# Altium PCB BSPD+SDC.PcbDoc (part 1 of 2) (continued)
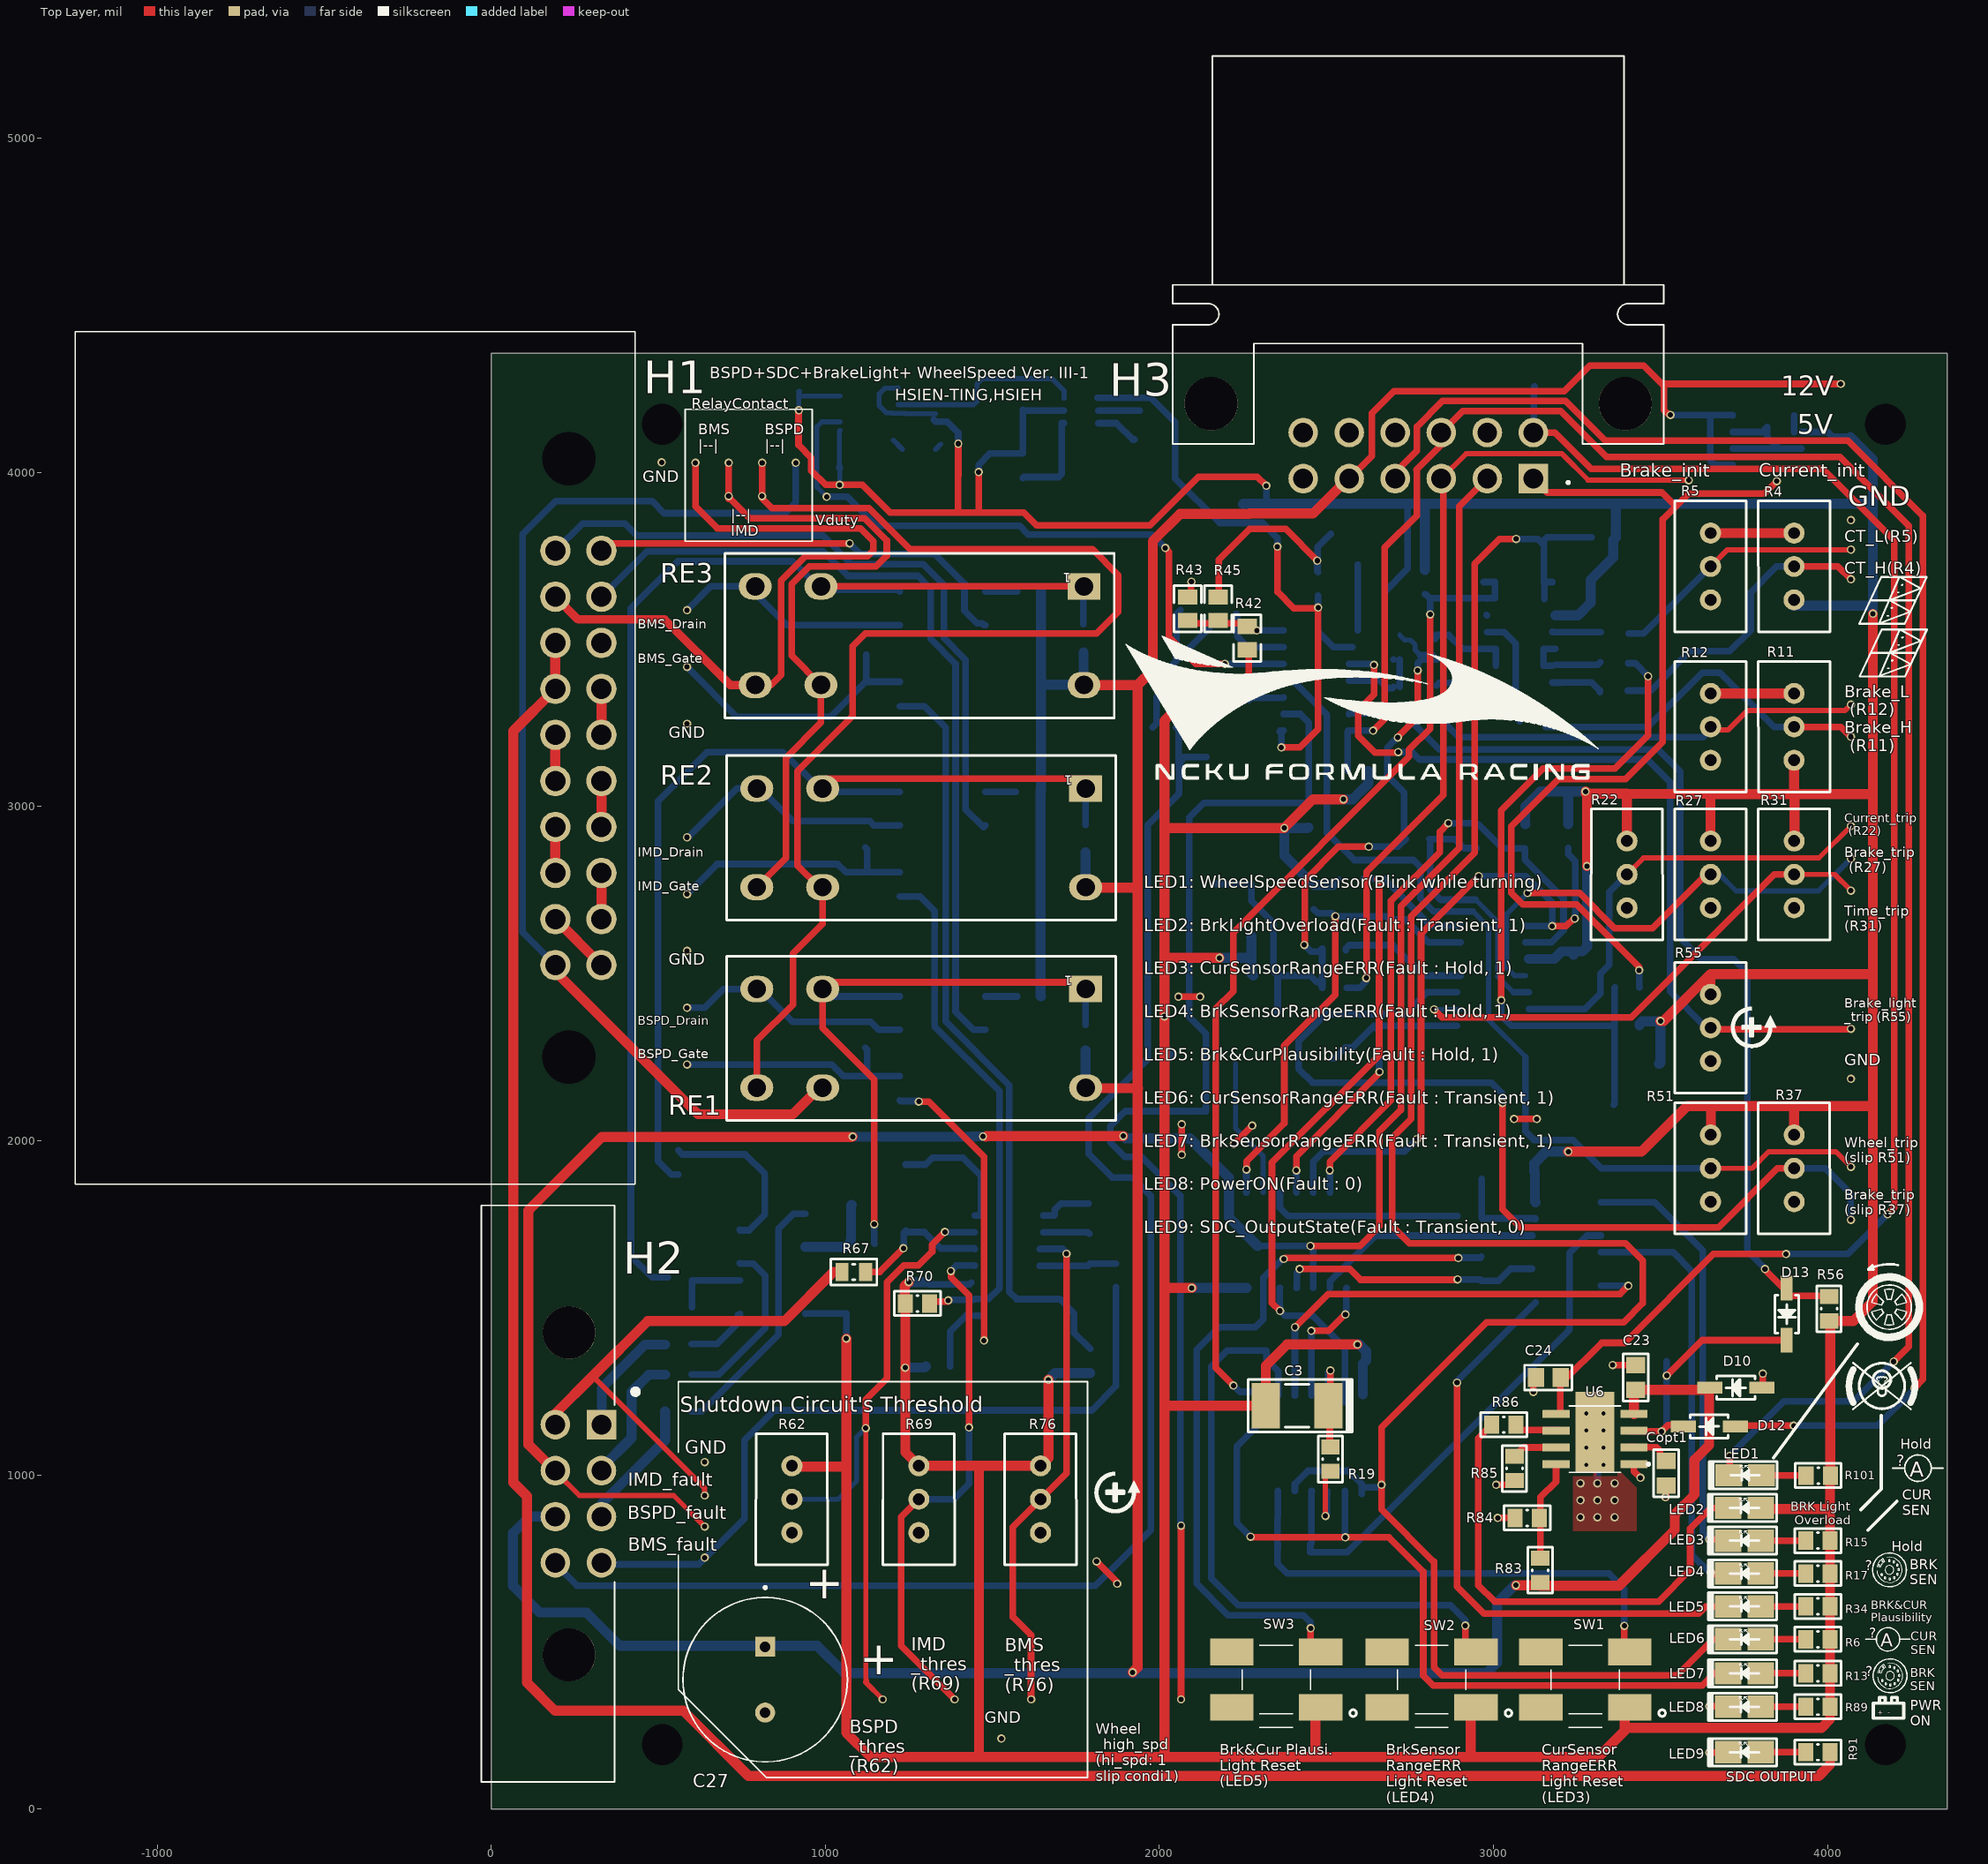
[diagram p0: Top Layer view]
## Part data (continued)
C27: "Cap Aluminum 220uF 63V 20% (12.5 X 20mm) Radial 7.5mm 835mA 5000h 105°C Ammo Pack", Capacitance=220uF, Case/Package=Radial, Dielectric Material=Aluminium, Leakage Current=415.8uA, Manufacturer=Nichicon, Max Operating Temperature=105°C, Min Operating Temperature=-55°C, Package Quantity=1, Ripple Current=835mA, Supplier Part Number 1=647-UPM1J221MHD1TO, Tolerance=20%, Voltage=63V, ComponentLink1Description=https://datasheet.ciiva.com/6136/e-pm-6136976.pdf?src-supplier=Farnell, ComponentLink1URL=https://datasheet.ciiva.com/6136/e-pm-6136976.pdf?src-supplier=Farnell, ComponentLink2Description=https://datasheet.ciiva.com/16289/e-pm-16289237.pdf?src-supplier=Future+Electronics, ComponentLink2URL=https://datasheet.ciiva.com/16289/e-pm-16289237.pdf?src-supplier=Future+Electronics, ComponentLink3Description=https://datasheet.ciiva.com/29547/e-pm-29547336.pdf?src-supplier=Digi-Key, ComponentLink3URL=https://datasheet.ciiva.com/29547/e-pm-29547336.pdf?src-supplier=Digi-Key, ComponentLink4Description=https://datasheet.ciiva.com/14604/70187696-14604329.pdf?src-supplier=Allied+Electronics, ComponentLink4URL=https://datasheet.ciiva.com/14604/70187696-14604329.pdf?src-supplier=Allied+Electronics, ComponentLink5Description=https://datasheet.ciiva.com/29547/e-pm-29547337.pdf?src-supplier=Digi-Key, ComponentLink5URL=https://datasheet.ciiva.com/29547/e-pm-29547337.pdf?src-supplier=Digi-Key, ComponentLink6Description=https://datasheet.ciiva.com/7907/e-pm-7907421.pdf?src-supplier=Element14, ComponentLink6URL=https://datasheet.ciiva.com/7907/e-pm-7907421.pdf?src-supplier=Element14, ComponentLink7Description=https://datasheet.ciiva.com/11684/e-pm-11684319.pdf?src-supplier=Avnet, ComponentLink7URL=https://datasheet.ciiva.com/11684/e-pm-11684319.pdf?src-supplier=Avnet, ComponentLink8Description=http://datasheet.octopart.com/UPM1J221MHD1TO-Nichicon-datasheet-8702619.pdf?src-supplier=Element14, ComponentLink8URL=http://datasheet.octopart.com/UPM1J221MHD1TO-Nichicon-datasheet-8702619.pdf?src-supplier=Element14, ComponentLink9Description=http://datasheet.octopart.com/UPM1J221MHD1TO-Nichicon-datasheet-41194115.pdf?src-supplier=Farnell, ComponentLink9URL=http://datasheet.octopart.com/UPM1J221MHD1TO-Nichicon-datasheet-41194115.pdf?src-supplier=Farnell, ComponentLink10Description=http://datasheet.octopart.com/UPM1J221MHD1TO-Nichicon-datasheet-12512882.pdf?src-supplier=Element14, ComponentLink10URL=http://datasheet.octopart.com/UPM1J221MHD1TO-Nichicon-datasheet-12512882.pdf?src-supplier=Element14, ComponentLink11Description=http://datasheet.octopart.com/UPM1J221MHD1TO-Nichicon-datasheet-8835184.pdf?src-supplier=Element14, ComponentLink11URL=http://datasheet.octopart.com/UPM1J221MHD1TO-Nichicon-datasheet-8835184.pdf?src-supplier=Element14, ComponentLink12Description=http://datasheet.octopart.com/UPM1J221MHD1TO-Nichicon-datasheet-538736.pdf?src-supplier=Future+Electronics, ComponentLink12URL=http://datasheet.octopart.com/UPM1J221MHD1TO-Nichicon-datasheet-538736.pdf?src-supplier=Future+Electronics, ComponentLink13Description=http://datasheet.octopart.com/UPM1J221MHD1TO-Nichicon-datasheet-5316055.pdf?src-supplier=Element14, ComponentLink13URL=http://datasheet.octopart.com/UPM1J221MHD1TO-Nichicon-datasheet-5316055.pdf?src-supplier=Element14, ComponentLink14Description=http://datasheet.octopart.com/UPM1J221MHD1TO-Nichicon-datasheet-41169139.pdf?src-supplier=Element14, ComponentLink14URL=http://datasheet.octopart.com/UPM1J221MHD1TO-Nichicon-datasheet-41169139.pdf?src-supplier=Element14, Construction=RADIAL, Diameter=12.5mm, Dissipation Factor=0.08%, Height=20mm, Height - Seated (Max)=0.866inch, Impedance=65mR, Lead Diameter=0.6mm, Lead Free="Lead Free", Lead Pitch=5mm, Length=20mm, Life (Hours)=5000Hour, Manufacturer Part Number=UPM1J221MHD1TO, Mount="Through Hole", Number of Pins=2, Packaging="Tape and Reel", Pricing 1="1 = 0.84000, 10 = 0.63700, 50 = 0.53000, 100 = 0.45600, 1000 = 0.30300, 10000 = 0.26900 (USD)", Radiation Hardening=No, REACH SVHC="No SVHC", RoHS Compliant=Yes, Series=PM, Stock 1=485, Supplier 1=Mouser, Termination=Radial, Voltage Rating=63V, Voltage Rating (DC)=63V
D1 D2 D3 D4 D5 D6 D10 D11 D12 D13: library part 1N4148W-TP, "1N4148W Series 100 V 150 mA 4 ns SMT High Speed Switching Diode - SOD-123", Average Rectified Current=150mA, Capacitance=4pF, Forward Voltage=1V, Manufacturer=MCC, Max Forward Surge Current (Ifsm)=1A, Max Operating Temperature=150°C, Max Repetitive Reverse Voltage (Vrrm)=100V, Max Reverse Leakage Current=5uA, Max Surge Current=2A, Min Operating Temperature=-65°C, Package Quantity=3000, Power Dissipation=400mW, Supplier Part Number 1=1N4148WTPMSCT-ND, ComponentLink1Description=https://datasheet.ciiva.com/1243/1684829-1243908.pdf?src-supplier=Newark, ComponentLink1URL=https://datasheet.ciiva.com/1243/1684829-1243908.pdf?src-supplier=Newark, ComponentLink2Description=https://datasheet.ciiva.com/16836/1n4148wsod123-16836277.pdf?src-supplier=Future+Electronics, ComponentLink2URL=https://datasheet.ciiva.com/16836/1n4148wsod123-16836277.pdf?src-supplier=Future+Electronics, ComponentLink3Description=https://datasheet.ciiva.com/4435/1n4148wsod123-48460-4435223.pdf?src-supplier=Mouser, ComponentLink3URL=https://datasheet.ciiva.com/4435/1n4148wsod123-48460-4435223.pdf?src-supplier=Mouser, ComponentLink4Description=https://datasheet.ciiva.com/14557/70055519-14557767.pdf?src-supplier=Allied+Electronics, ComponentLink4URL=https://datasheet.ciiva.com/14557/70055519-14557767.pdf?src-supplier=Allied+Electronics, ComponentLink5Description=https://datasheet.ciiva.com/911/1n4148wsod123-911676.pdf?src-supplier=Digi-Key, ComponentLink5URL=https://datasheet.ciiva.com/911/1n4148wsod123-911676.pdf?src-supplier=Digi-Key, ComponentLink6Description=https://datasheet.ciiva.com/7622/1684829-7622556.pdf?src-supplier=Element14, ComponentLink6URL=https://datasheet.ciiva.com/7622/1684829-7622556.pdf?src-supplier=Element14, ComponentLink7Description=https://datasheet.ciiva.com/911/1n4148wsod123-911677.pdf?src-supplier=Digi-Key, ComponentLink7URL=https://datasheet.ciiva.com/911/1n4148wsod123-911677.pdf?src-supplier=Digi-Key, ComponentLink8Description=https://datasheet.ciiva.com/911/1n4148wsod123-911678.pdf?src-supplier=Digi-Key, ComponentLink8URL=https://datasheet.ciiva.com/911/1n4148wsod123-911678.pdf?src-supplier=Digi-Key, ComponentLink9Description=https://datasheet.ciiva.com/22747/1684829-22747439.pdf?src-supplier=Element14, ComponentLink9URL=https://datasheet.ciiva.com/22747/1684829-22747439.pdf?src-supplier=Element14, ComponentLink10Description=http://datasheet.octopart.com/1N4148W-TP-Micro-Commercial-datasheet-60845.pdf?src-supplier=Element14, ComponentLink10URL=http://datasheet.octopart.com/1N4148W-TP-Micro-Commercial-datasheet-60845.pdf?src-supplier=Element14, ComponentLink11Description=http://datasheet.octopart.com/1N4148W-TP-MCC-datasheet-8327246.pdf?src-supplier=Future+Electronics, ComponentLink11URL=http://datasheet.octopart.com/1N4148W-TP-MCC-datasheet-8327246.pdf?src-supplier=Future+Electronics, ComponentLink12Description=http://datasheet.octopart.com/1N4148W-TP-MCC-datasheet-124568.pdf?src-supplier=Future+Electronics, ComponentLink12URL=http://datasheet.octopart.com/1N4148W-TP-MCC-datasheet-124568.pdf?src-supplier=Future+Electronics, ComponentLink13Description=http://datasheet.octopart.com/1N4148W-TP-MCC-datasheet-10003094.pdf?src-supplier=Allied+Electronics, ComponentLink13URL=http://datasheet.octopart.com/1N4148W-TP-MCC-datasheet-10003094.pdf?src-supplier=Allied+Electronics, ComponentLink14Description=http://datasheet.octopart.com/1N4148W-TP-Micro-Commercial-datasheet-11773887.pdf?src-supplier=Arrow, ComponentLink14URL=http://datasheet.octopart.com/1N4148W-TP-Micro-Commercial-datasheet-11773887.pdf?src-supplier=Arrow, ComponentLink15Description=http://datasheet.octopart.com/1N4148W-TP-Micro-Commercial-datasheet-13551187.pdf?src-supplier=Future+Electronics, ComponentLink15URL=http://datasheet.octopart.com/1N4148W-TP-Micro-Commercial-datasheet-13551187.pdf?src-supplier=Future+Electronics, ComponentLink16Description=http://datasheet.octopart.com/1N4148W-TP-MCC-datasheet-133511570.pdf?src-supplier=Future+Electronics, ComponentLink16URL=http://datasheet.octopart.com/1N4148W-TP-MCC-datasheet-133511570.pdf?src-supplier=Future+Electronics, ComponentLink17Description=http://datasheet.octopart.com/1N4148W-TP-MCC-datasheet-134792309.pdf?src-supplier=TME, ComponentLink17URL=http://datasheet.octopart.com/1N4148W-TP-MCC-datasheet-134792309.pdf?src-supplier=TME, Current Rating=150mA, Element Configuration=Single, Forward Current=150mA, Height=1.2mm, Lead Free="Lead Free", Length=2.85mm, Manufacturer Part Number=1N4148W-TP, Max Reverse Voltage (DC)=100V, Mount="Surface Mount", Number of Pins=2, Output Current=150mA, Packaging="Tape and Reel", Peak Non-Repetitive Surge Current=2A, Polarity=Standard, Pricing 1="1 = 0.10000, 10 = 0.08100, 100 = 0.03400, 500 = 0.02670, 1000 = 0.01854 (USD)", Radiation Hardening=No, REACH SVHC=Unknown, Recovery Time=4ns, Reverse Recovery Time=4ns, Stock 1=726390, Supplier 1=Digi-Key, Supplier 2=Mouser, Supplier Part Number 2=833-1N4148W-TP, Voltage Rating (DC)=100V, Width=1.8mm
D7 D8 D9: "ROHM         1SS355VMFHTE-17             Small Signal Diode, Single, 90 V, 100 mA, 1.2 V, 4 ns, 500 mA", Case/Package=SOD, Forward Current=100mA, Forward Voltage=1.2V, Manufacturer=Rohm, Max Forward Surge Current (Ifsm)=500mA, Max Operating Temperature=150°C, Max Repetitive Reverse Voltage (Vrrm)=90V, Supplier Part Number 1=755-1SS355VMFHTE-17, catagory=diode, ComponentLink1Description=http://www.farnell.com/datasheets/2296360.pdf?src-supplier=Farnell, ComponentLink1URL=http://www.farnell.com/datasheets/2296360.pdf?src-supplier=Farnell, ComponentLink2Description=http://www.farnell.com/datasheets/2021474.pdf?src-supplier=Farnell, ComponentLink2URL=http://www.farnell.com/datasheets/2021474.pdf?src-supplier=Farnell, ComponentLink3Description=https://www.rohm.com/datasheet/1SS355VMFH/1ss355vmfhte-17-e?src-supplier=Digi-Key, ComponentLink3URL=https://www.rohm.com/datasheet/1SS355VMFH/1ss355vmfhte-17-e?src-supplier=Digi-Key, ComponentLink4Description=http://www.farnell.com/datasheets/2296360.pdf?src-supplier=Newark, ComponentLink4URL=http://www.farnell.com/datasheets/2296360.pdf?src-supplier=Newark, ComponentLink5Description=http://www.farnell.com/datasheets/2021474.pdf?src-supplier=Element14, ComponentLink5URL=http://www.farnell.com/datasheets/2021474.pdf?src-supplier=Element14, Element Configuration=Single, Manufacturer Part Number=1SS355VMFHTE-17, Number of Pins=2, Packaging="Cut Tape", Pricing 1="1 = 0.31000, 10 = 0.21200, 100 = 0.08900, 1000 = 0.06000, 3000 = 0.04700, 9000 = 0.04700 (USD)", REACH SVHC=Unknown, Reverse Recovery Time=4ns, RoHS=No, Stock 1=46949, Supplier 1=Mouser
H1: "MX150 2x10 Dual Row Right-Angle Header, 20 Circuits, Keying Option B, Light Gray, Solder Tail", Manufacturer=Molex, Supplier Part Number 1=538-34830-2002, ComponentLink1Description=http://datasheet.octopart.com/34830-2002-Molex-datasheet-16362846.pdf?src-supplier=Molex, ComponentLink1URL=http://datasheet.octopart.com/34830-2002-Molex-datasheet-16362846.pdf?src-supplier=Molex, ComponentLink2Description=http://sigma.octopart.com/16362845/technical_drawing/Molex-34830-2002.pdf?src-supplier=Molex, ComponentLink2URL=http://sigma.octopart.com/16362845/technical_drawing/Molex-34830-2002.pdf?src-supplier=Molex, Contact Plating=Nickel, ELV=Compliant, Gender=Male, Glow Wire Compliant=Non-compliant, Halogen Free="Low Halogen", Manufacturer Part Number=34830-2002, Material="Copper Alloy", Mount="Through Hole", Number of Circuits=20, Number of Pins=20, Number of Rows=2, Orientation="Right Angle", Packaging=Tray, Pitch=3.5mm, Pricing 1="1 = 8.15000, 10 = 7.09000, 50 = 7.09000, 100 = 5.85000, 1000 = 5.21000, 10000 = 5.21000 (USD)", Stock 1=153, Supplier 1=Mouser, Termination=Solder
H2: "MX150 2x4 Dual Row Right-Angle Header, 8 Circuits, Keying Option A, Black, Solder Tail", Manufacturer=Molex, Supplier Part Number 1=538-34830-0801, ComponentLink1Description=http://datasheet.octopart.com/34830-0801-Molex-datasheet-16362832.pdf?src-supplier=Molex, ComponentLink1URL=http://datasheet.octopart.com/34830-0801-Molex-datasheet-16362832.pdf?src-supplier=Molex, ComponentLink2Description=http://sigma.octopart.com/16362835/technical_drawing/Molex-34830-0801.pdf?src-supplier=Molex, ComponentLink2URL=http://sigma.octopart.com/16362835/technical_drawing/Molex-34830-0801.pdf?src-supplier=Molex, ComponentLink3Description=http://datasheet.octopart.com/34830-0801-Molex-datasheet-120147758.pdf?src-supplier=Allied+Electronics, ComponentLink3URL=http://datasheet.octopart.com/34830-0801-Molex-datasheet-120147758.pdf?src-supplier=Allied+Electronics, ComponentLink4Description=http://datasheet.octopart.com/34830-0801-Molex-datasheet-140182486.pdf?src-supplier=Allied+Electronics, ComponentLink4URL=http://datasheet.octopart.com/34830-0801-Molex-datasheet-140182486.pdf?src-supplier=Allied+Electronics, Contact Plating=Nickel, ELV=Compliant, Gender=Male, Glow Wire Compliant=Non-compliant, Halogen Free="Low Halogen", Manufacturer Part Number=34830-0801, Material="Copper Alloy", Mount="Through Hole", Number of Circuits=8, Number of Rows=2, Orientation="Right Angle", Packaging=Tray, Pitch=3.5mm, Pricing 1="1 = 4.90000, 10 = 4.32000, 50 = 4.32000, 100 = 3.44000, 1000 = 2.89000, 10000 = 2.80000 (USD)", Stock 1=31, Supplier 1=Mouser, Termination=Solder
H3: "MX120G Sealed Header Connector Assembly, 12 Circuit, Color Mark Identification Black", Color=Black, Manufacturer=Molex, Max Operating Temperature=105°C, Min Operating Temperature=-40°C, Supplier Part Number 1=538-36783-1201, ComponentLink1Description=https://datasheet.ciiva.com/6814/367831201-sd-6814032.pdf?src-supplier=Digi-Key, ComponentLink1URL=https://datasheet.ciiva.com/6814/367831201-sd-6814032.pdf?src-supplier=Digi-Key, ComponentLink2Description=http://datasheet.octopart.com/0367831201-Molex-datasheet-16367546.pdf?src-supplier=Molex, ComponentLink2URL=http://datasheet.octopart.com/0367831201-Molex-datasheet-16367546.pdf?src-supplier=Molex, ComponentLink3Description=http://datasheet.octopart.com/36783-1201-Molex-datasheet-13268039.pdf?src-supplier=Molex, ComponentLink3URL=http://datasheet.octopart.com/36783-1201-Molex-datasheet-13268039.pdf?src-supplier=Molex, ComponentLink4Description=http://datasheet.octopart.com/36783-1201-Molex-datasheet-34442202.pdf?src-supplier=Farnell, ComponentLink4URL=http://datasheet.octopart.com/36783-1201-Molex-datasheet-34442202.pdf?src-supplier=Farnell, ComponentLink5Description=http://datasheet.octopart.com/36783-1201-Molex-datasheet-41568726.pdf?src-supplier=Element14, ComponentLink5URL=http://datasheet.octopart.com/36783-1201-Molex-datasheet-41568726.pdf?src-supplier=Element14, ComponentLink6Description=http://datasheet.octopart.com/36783-1201-Molex-datasheet-66628265.pdf?src-supplier=Element14, ComponentLink6URL=http://datasheet.octopart.com/36783-1201-Molex-datasheet-66628265.pdf?src-supplier=Element14, ComponentLink7Description=http://datasheet.octopart.com/36783-1201-Molex-datasheet-101582201.pdf?src-supplier=Element14, ComponentLink7URL=http://datasheet.octopart.com/36783-1201-Molex-datasheet-101582201.pdf?src-supplier=Element14, ComponentLink8Description=http://datasheet.octopart.com/36783-1201-Molex-datasheet-21320486.pdf?src-supplier=Electro+Sonic, ComponentLink8URL=http://datasheet.octopart.com/36783-1201-Molex-datasheet-21320486.pdf?src-supplier=Electro+Sonic, ComponentLink9Description=http://datasheet.octopart.com/36783-1201-Molex-datasheet-27084827.pdf?src-supplier=Electro+Sonic, ComponentLink9URL=http://datasheet.octopart.com/36783-1201-Molex-datasheet-27084827.pdf?src-supplier=Electro+Sonic, ComponentLink10Description=http://datasheet.octopart.com/36783-1201-Molex-datasheet-37169560.pdf?src-supplier=Electro+Sonic, ComponentLink10URL=http://datasheet.octopart.com/36783-1201-Molex-datasheet-37169560.pdf?src-supplier=Electro+Sonic, ComponentLink11Description=http://datasheet.octopart.com/36783-1201-Molex-datasheet-120148052.pdf?src-supplier=Allied+Electronics, ComponentLink11URL=http://datasheet.octopart.com/36783-1201-Molex-datasheet-120148052.pdf?src-supplier=Allied+Electronics, ComponentLink12Description=http://datasheet.octopart.com/36783-1201-Molex-datasheet-140182688.pdf?src-supplier=Allied+Electronics, ComponentLink12URL=http://datasheet.octopart.com/36783-1201-Molex-datasheet-140182688.pdf?src-supplier=Allied+Electronics, Connector Type="Male Pin", Contact Material=Brass, Contact Plating=Tin, Contact Type="Male Pin", Fastening Type=Ramp, Housing Color=Black, Housing Material=Nylon, Lead Free="Lead Free", Length=37.3mm, Manufacturer Part Number=0367831201, Mount="Through Hole", Number of Contacts=12, Number of Positions=12, Number of Rows=2, Orientation="Right Angle", Packaging=Bulk, Pitch=0.126inch, Pricing 1="1 = 1.45000, 10 = 1.20000, 50 = 1.20000, 100 = 1.05000, 1000 = 0.81300, 10000 = 0.65700 (USD)", Radiation Hardening=No, RoHS Compliant=Yes, Row Spacing=0.233inch, Series="MX120G? 36783", Stock 1=569, Supplier 1=Mouser, Termination=Solder
IC1 IC2: library part CD4081BM, "In a Tube of 50, Texas Instruments CD4081BM, Quad 2-Input AND Logic Gate, 14-Pin SOIC", Case/Package=SOIC, High Level Output Current=-4.2mA, Input Capacitance=5pF, Low Level Output Current=4.2mA, Manufacturer="Texas Instruments", Max Operating Temperature=125°C, Max Supply Voltage=18V, Min Operating Temperature=-55°C, Min Supply Voltage=3V, Output Current=6.8mA, Package Quantity=50, Power Dissipation=500mW, Quiescent Current=5uA, Supplier Part Number 1=595-CD4081BM, ComponentLink1Description=https://datasheet.ciiva.com/1626/cd4081b-1626210.pdf?src-supplier=Newark, ComponentLink1URL=https://datasheet.ciiva.com/1626/cd4081b-1626210.pdf?src-supplier=Newark, ComponentLink2Description=https://datasheet.ciiva.com/15090/getdatasheetpartid-83085-15090610.pdf?src-supplier=Verical, ComponentLink2URL=https://datasheet.ciiva.com/15090/getdatasheetpartid-83085-15090610.pdf?src-supplier=Verical, ComponentLink3Description=https://datasheet.ciiva.com/26865/cd4081bm-26865364.pdf?src-supplier=IIIC, ComponentLink3URL=https://datasheet.ciiva.com/26865/cd4081bm-26865364.pdf?src-supplier=IIIC, ComponentLink4Description=https://datasheet.ciiva.com/41455/001015529-da-01-en-ic-2-in-and-gate-qu-cd4081bm-soic-14-tid-41455446.pdf?src-supplier=Conrad, ComponentLink4URL=https://datasheet.ciiva.com/41455/001015529-da-01-en-ic-2-in-and-gate-qu-cd4081bm-soic-14-tid-41455446.pdf?src-supplier=Conrad, ComponentLink5Description=https://datasheet.ciiva.com/1866/cd4073b-1866564.pdf?src-supplier=Digi-Key, ComponentLink5URL=https://datasheet.ciiva.com/1866/cd4073b-1866564.pdf?src-supplier=Digi-Key, ComponentLink6Description=https://datasheet.ciiva.com/7949/1833366-7949020.pdf?src-supplier=Element14, ComponentLink6URL=https://datasheet.ciiva.com/7949/1833366-7949020.pdf?src-supplier=Element14, ComponentLink7Description=https://octopart.com/click/track?ai=8629&ct=datasheets&sig=02680e7&at=physicalpart&sid=370&ppid=42573&hlid=24875867&src-supplier=TI+store, ComponentLink7URL=https://octopart.com/click/track?ai=8629&ct=datasheets&sig=02680e7&at=physicalpart&sid=370&ppid=42573&hlid=24875867&src-supplier=TI+store, ComponentLink8Description=http://datasheet.octopart.com/CD4081BM-Texas-Instruments-datasheet-151253.pdf?src-supplier=TI+store, ComponentLink8URL=http://datasheet.octopart.com/CD4081BM-Texas-Instruments-datasheet-151253.pdf?src-supplier=TI+store, ComponentLink9Description=http://datasheet.octopart.com/CD4081BM-Texas-Instruments-datasheet-10253518.pdf?src-supplier=TI+store, ComponentLink9URL=http://datasheet.octopart.com/CD4081BM-Texas-Instruments-datasheet-10253518.pdf?src-supplier=TI+store, ComponentLink10Description=http://datasheet.octopart.com/CD4081BM-Texas-Instruments-datasheet-10253444.pdf?src-supplier=TI+store, ComponentLink10URL=http://datasheet.octopart.com/CD4081BM-Texas-Instruments-datasheet-10253444.pdf?src-supplier=TI+store, ComponentLink11Description=http://datasheet.octopart.com/CD4081BM-Texas-Instruments-datasheet-10794629.pdf?src-supplier=TI+store, ComponentLink11URL=http://datasheet.octopart.com/CD4081BM-Texas-Instruments-datasheet-10794629.pdf?src-supplier=TI+store, ComponentLink12Description=http://sigma.octopart.com/49249646/technical_drawing/Texas-Instruments-CD4081BM.pdf?src-supplier=TI+store, ComponentLink12URL=http://sigma.octopart.com/49249646/technical_drawing/Texas-Instruments-CD4081BM.pdf?src-supplier=TI+store, ComponentLink13Description=http://datasheet.octopart.com/CD4081BM-Texas-Instruments-datasheet-47642733.pdf?src-supplier=Farnell, ComponentLink13URL=http://datasheet.octopart.com/CD4081BM-Texas-Instruments-datasheet-47642733.pdf?src-supplier=Farnell, ComponentLink14Description=http://datasheet.octopart.com/CD4081BM-Texas-Instruments-datasheet-5313817.pdf?src-supplier=Newark, ComponentLink14URL=http://datasheet.octopart.com/CD4081BM-Texas-Instruments-datasheet-5313817.pdf?src-supplier=Newark, ComponentLink15Description=http://datasheet.octopart.com/CD4081BM-Texas-Instruments-datasheet-8372246.pdf?src-supplier=Newark, ComponentLink15URL=http://datasheet.octopart.com/CD4081BM-Texas-Instruments-datasheet-8372246.pdf?src-supplier=Newark, ComponentLink16Description=http://datasheet.octopart.com/CD4081BM-Texas-Instruments-datasheet-32637.pdf?src-supplier=Newark, ComponentLink16URL=http://datasheet.octopart.com/CD4081BM-Texas-Instruments-datasheet-32637.pdf?src-supplier=Newark, ComponentLink17Description=http://datasheet.octopart.com/CD4081BM-Texas-Instruments-datasheet-5254.pdf?src-supplier=Allied+Electronics, ComponentLink17URL=http://datasheet.octopart.com/CD4081BM-Texas-Instruments-datasheet-5254.pdf?src-supplier=Allied+Electronics, ComponentLink18Description=http://datasheet.octopart.com/CD4081BM-Texas-Instruments-datasheet-111545.pdf?src-supplier=Sierra+IC, ComponentLink18URL=http://datasheet.octopart.com/CD4081BM-Texas-Instruments-datasheet-111545.pdf?src-supplier=Sierra+IC, ComponentLink19Description=http://datasheet.octopart.com/CD4081BM-Texas-Instruments-datasheet-7596796.pdf?src-supplier=Jameco, ComponentLink19URL=http://datasheet.octopart.com/CD4081BM-Texas-Instruments-datasheet-7596796.pdf?src-supplier=Jameco, ComponentLink20Description=http://datasheet.octopart.com/CD4081BM-Texas-Instruments-datasheet-7626019.pdf?src-supplier=Farnell, ComponentLink20URL=http://datasheet.octopart.com/CD4081BM-Texas-Instruments-datasheet-7626019.pdf?src-supplier=Farnell, ComponentLink21Description=http://datasheet.octopart.com/CD4081BM-Texas-Instruments-datasheet-7628878.pdf?src-supplier=Farnell, ComponentLink21URL=http://datasheet.octopart.com/CD4081BM-Texas-Instruments-datasheet-7628878.pdf?src-supplier=Farnell, ComponentLink22Description=http://datasheet.octopart.com/CD4081BM-Texas-Instruments-datasheet-7547189.pdf?src-supplier=Farnell, ComponentLink22URL=http://datasheet.octopart.com/CD4081BM-Texas-Instruments-datasheet-7547189.pdf?src-supplier=Farnell, ComponentLink23Description=http://datasheet.octopart.com/CD4081BM-Texas-Instruments-datasheet-5327680.pdf?src-supplier=Farnell, ComponentLink23URL=http://datasheet.octopart.com/CD4081BM-Texas-Instruments-datasheet-5327680.pdf?src-supplier=Farnell, ComponentLink24Description=http://datasheet.octopart.com/CD4081BM-Texas-Instruments-datasheet-8703573.pdf?src-supplier=Farnell, ComponentLink24URL=http://datasheet.octopart.com/CD4081BM-Texas-Instruments-datasheet-8703573.pdf?src-supplier=Farnell, ComponentLink25Description=http://datasheet.octopart.com/CD4081BM-Texas-Instruments-datasheet-604431.pdf?src-supplier=Farnell, ComponentLink25URL=http://datasheet.octopart.com/CD4081BM-Texas-Instruments-datasheet-604431.pdf?src-supplier=Farnell, ComponentLink26Description=http://datasheet.octopart.com/CD4081BM-Texas-Instruments-datasheet-14147925.pdf?src-supplier=IIIC, ComponentLink26URL=http://datasheet.octopart.com/CD4081BM-Texas-Instruments-datasheet-14147925.pdf?src-supplier=IIIC, ComponentLink27Description=http://datasheet.octopart.com/CD4081BM-Texas-Instruments-datasheet-10549843.pdf?src-supplier=Factory+Futures, ComponentLink27URL=http://datasheet.octopart.com/CD4081BM-Texas-Instruments-datasheet-10549843.pdf?src-supplier=Factory+Futures, ComponentLink28Description=http://datasheet.octopart.com/CD4081BM-Texas-Instruments-datasheet-27379352.pdf?src-supplier=Newark, ComponentLink28URL=http://datasheet.octopart.com/CD4081BM-Texas-Instruments-datasheet-27379352.pdf?src-supplier=Newark, Contact Plating=Gold, Height=1.58mm, Lead Free="Lead Free", Length=8.65mm, Logic Function=AND, Manufacturer Part Number=CD4081BM, Mount="Surface Mount", Number of Bits=4, Number of Circuits=4, Number of Elements=4, Number of Gates=4, Number of Input Lines=2, Number of Inputs=2, Number of Output Lines=1, Number of Outputs=1, Number of Pins=14, Packaging=Rail/Tube, Pricing 1="1 = 0.52000, 10 = 0.43300, 100 = 0.26300, 1000 = 0.20300, 2500 = 0.17300, 10000 = 0.16100 (USD)", Propagation Delay=90ns, Radiation Hardening=No, REACH SVHC="No SVHC", Schmitt Trigger Input=No, Stock 1=2050, Supplier 1=Mouser, Turn-On Delay Time=12ns, Weight=0.004564oz, Width=3.91mm
LED1 LED2 LED3 LED4 LED5 LED6 LED7 LED8 LED9: "On a Reel of 4000, 2 V Red LED 2012 (0805) SMD, Wurth Elektronik WL-SMCW 150080RS75000", Case/Package=0805, Case Code (Metric)=2012, Color=Red, Forward Current=30mA, Forward Voltage=2V, Manufacturer="Wurth Elektronik", Manufacturer Part Number=150080RS75000, Max Operating Temperature=85°C, Min Operating Temperature=-40°C, Package Quantity=4000, Supplier Part Number 1=710-150080RS75000, Test Current=20mA, Case Code (Imperial)=0805, ComponentLink1Description=https://datasheet.ciiva.com/22656/150080rs75000-22656961.pdf?src-supplier=Element14, ComponentLink1URL=https://datasheet.ciiva.com/22656/150080rs75000-22656961.pdf?src-supplier=Element14, ComponentLink2Description=https://datasheet.ciiva.com/29279/759435-da-01-en-chipled-0805-w-kl-rot-150080rs75000-29279032.pdf?src-supplier=Conrad, ComponentLink2URL=https://datasheet.ciiva.com/29279/759435-da-01-en-chipled-0805-w-kl-rot-150080rs75000-29279032.pdf?src-supplier=Conrad, ComponentLink3Description=http://datasheet.octopart.com/150080RS75000-W%C3%BCrth-Elektronik-datasheet-15983792.pdf?src-supplier=Element14, ComponentLink3URL=http://datasheet.octopart.com/150080RS75000-W%C3%BCrth-Elektronik-datasheet-15983792.pdf?src-supplier=Element14, ComponentLink4Description=http://datasheet.octopart.com/150080RS75000-W%C3%BCrth-Elektronik-datasheet-41196443.pdf?src-supplier=Newark, ComponentLink4URL=http://datasheet.octopart.com/150080RS75000-W%C3%BCrth-Elektronik-datasheet-41196443.pdf?src-supplier=Newark, Dominant Wavelength=625nm, Height=0.7mm, Length=2mm, Lens Style=Clear, Luminous Intensity=150mcd, Mount="Surface Mount", Packaging="Tape and Reel", Pricing 1="1 = 0.18000, 10 = 0.17500, 25 = 0.17400, 50 = 0.16200, 100 = 0.13900, 250 = 0.12300 (USD)", REACH SVHC=Unknown, Stock 1=24117, Supplier 1=Mouser, Viewing Angle=140°, Wavelength=625nm, Width=1.25mm
M1 M2 M3: Case/Package=SOT-23, Continuous Drain Current (ID)=115mA, Current=115A, Drain to Source Breakdown Voltage=70V, Drain to Source Resistance=7.5R, Drain to Source Voltage (Vdss)=60V, Gate to Source Voltage (Vgs)=20V, Input Capacitance=50pF, Manufacturer="Diodes Inc.", Max Operating Temperature=150°C, Max Power Dissipation=300mW, Min Operating Temperature=-55°C, Package Quantity=3000, Power Dissipation=540mW, Supplier Part Number 1=621-2N7002-F, Threshold Voltage=2.5V, catagory=nmos, ComponentLink1Description=https://datasheet.ciiva.com/3304/ds11303-3304385.pdf?src-supplier=Avnet, ComponentLink1URL=https://datasheet.ciiva.com/3304/ds11303-3304385.pdf?src-supplier=Avnet, ComponentLink2Description=https://datasheet.ciiva.com/15219/getdatasheetpartid-110059-15219667.pdf?src-supplier=Verical, ComponentLink2URL=https://datasheet.ciiva.com/15219/getdatasheetpartid-110059-15219667.pdf?src-supplier=Verical, ComponentLink3Description=https://datasheet.ciiva.com/49020/70437206-49020102.pdf?src-supplier=Allied+Electronics, ComponentLink3URL=https://datasheet.ciiva.com/49020/70437206-49020102.pdf?src-supplier=Allied+Electronics, ComponentLink4Description=https://datasheet.ciiva.com/22712/1915452-22712375.pdf?src-supplier=Element14, ComponentLink4URL=https://datasheet.ciiva.com/22712/1915452-22712375.pdf?src-supplier=Element14, ComponentLink5Description=https://datasheet.ciiva.com/1188/ds11303-1188363.pdf?src-supplier=Element14, ComponentLink5URL=https://datasheet.ciiva.com/1188/ds11303-1188363.pdf?src-supplier=Element14, Contact Plating=Tin, Current Rating=115mA, Dual Supply Voltage=60V, Element Configuration=Single, Fall Time=5.6ns, Height=1mm, Lead Free="Lead Free", Length=2.9mm, Manufacturer Part Number=2N7002-7-F, Mount="Surface Mount", Nominal Vgs=2.5V, Number of Channels=1, Number of Elements=1, Number of Pins=3, On-State Resistance=7.5R, Packaging="Tape and Reel", Pricing 1="1 = 0.10000, 10 = 0.03800, 100 = 0.02700, 1000 = 0.02700, 3000 = 0.02700, 9000 = 0.02500, 24000 = 0.02300, 45000 = 0.02000, 99000 = 0.01900 (USD)", Radiation Hardening=No, Rds On Max=7.5R, REACH SVHC="No SVHC", Rise Time=3ns, Stock 1=2405582, Supplier 1=Mouser, Termination=SMD/SMT, Turn-Off Delay Time=11ns, Turn-On Delay Time=7ns, Voltage=60V, Voltage Rating (DC)=60V, Weight=0.000282oz, Width=1.3mm